# Altium PCB AX7103-2021-0629.PcbDoc (part 4 of 7) (continued)
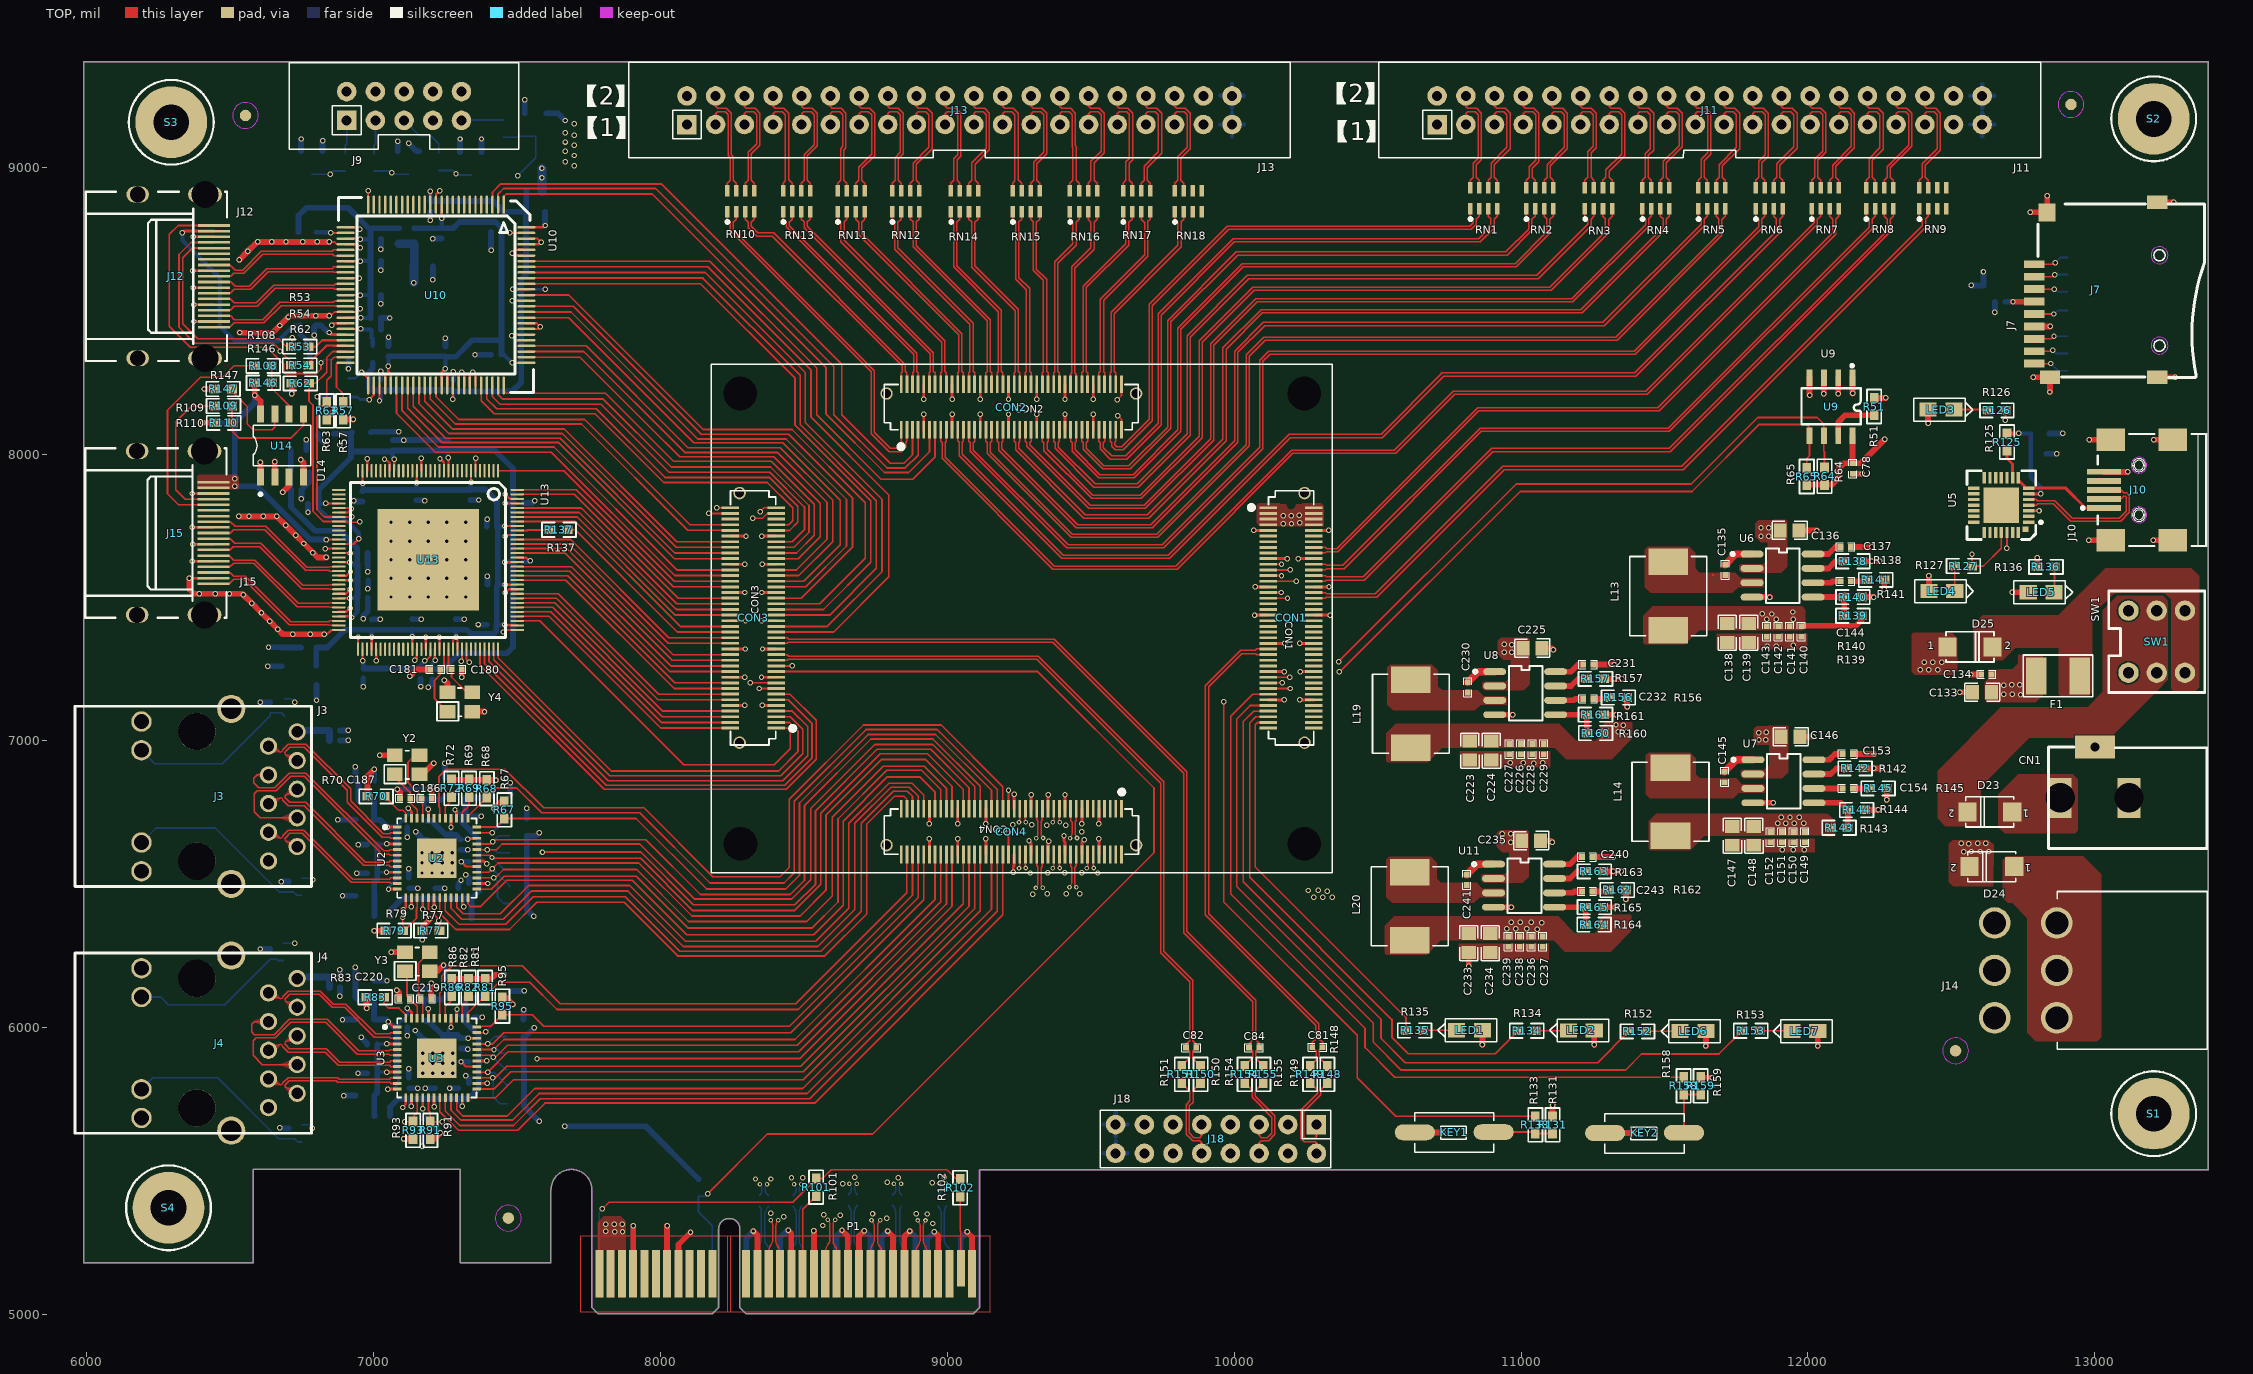
[diagram p0: TOP view]
## Nets (pads, with @x,y where several pads share a name; then routed paths per layer and width w, separated by ;. In a path a pad name is that pad's centre, name@x,y a point inside that pad or via, vN(x,y) a via of type N, cw(c..) or ccw(c..) an arc to the next point about the centre after c; other vN are vias at no path point) (continued)
  SGND1 w15: 6129.22,7439.54 J15.22@6176.11,7439.54 ; 6129.22,8010.41 J15.23@6176.11,8010.41 ; 6131.19,8334.28 J12.22@6178.08,8334.28 ; 6131.19,8905.15 J12.23@6178.08,8905.15 ; 6152.8,5372.79 S4.1@6285.32,5372.79 ; 6162.52,9156.85 S3.1@6295.04,9156.85 ; 6176.11,7404.46 J15.22@6176.11,7439.54 ; 6176.11,7474.62 J15.22@6176.11,7439.54 ; 6176.11,7975.33 J15.23@6176.11,8010.41 ; 6176.11,8045.49 J15.23@6176.11,8010.41 ; 6178.08,8299.2 J12.22@6178.08,8334.28 ; 6178.08,8369.36 J12.22@6178.08,8334.28 ; 6178.08,8870.07 J12.23@6178.08,8905.15 ; 6178.08,8940.23 J12.23@6178.08,8905.15 ; 6223,7439.54 J15.22@6176.11,7439.54 ; 6223,8010.41 J15.23@6176.11,8010.41 ; 6224.97,8334.28 J12.22@6178.08,8334.28 ; 6224.97,8905.15 J12.23@6178.08,8905.15 ; 6285.32,5240.27 S4.1@6285.32,5372.79 ; 6285.32,5505.31 S4.1@6285.32,5372.79 ; 6295.04,9024.33 S3.1@6295.04,9156.85 ; 6295.04,9289.37 S3.1@6295.04,9156.85 ; 6344.18,7439.54 J15.20@6410.76,7439.54 ; 6344.18,8010.41 J15.21@6410.76,8010.41 ; 6346.15,8334.28 J12.20@6412.73,8334.28 ; 6346.15,8905.15 J12.21@6412.73,8905.15 ; 6410.76,7404.46 J15.20@6410.76,7439.54 ; 6410.76,7474.62 J15.20@6410.76,7439.54 ; 6410.76,7975.33 J15.21@6410.76,8010.41 ; 6410.76,8045.49 J15.21@6410.76,8010.41 ; 6412.73,8299.2 J12.20@6412.73,8334.28 ; 6412.73,8369.36 J12.20@6412.73,8334.28 ; 6412.73,8870.07 J12.21@6412.73,8905.15 ; 6412.73,8940.23 J12.21@6412.73,8905.15 ; 6417.84,5372.79 S4.1@6285.32,5372.79 ; 6427.56,9156.85 S3.1@6295.04,9156.85 ; 6447.59,5641.78 J4.16@6504.11,5641.78 ; 6447.59,6252.01 J4.15@6504.11,6252.01 ; 6447.59,6501.78 J3.16@6504.11,6501.78 ; 6447.59,7112.01 J3.15@6504.11,7112.01 ; 6477.34,7439.54 J15.20@6410.76,7439.54 ; 6477.34,8010.41 J15.21@6410.76,8010.41 ; 6479.31,8334.28 J12.20@6412.73,8334.28 ; 6479.31,8905.15 J12.21@6412.73,8905.15 ; 6504.11,5585.26 J4.16@6504.11,5641.78 ; 6504.11,5698.3 J4.16@6504.11,5641.78 ; 6504.11,6195.49 J4.15@6504.11,6252.01 ; 6504.11,6308.53 J4.15@6504.11,6252.01 ; 6504.11,6445.26 J3.16@6504.11,6501.78 ; 6504.11,6558.3 J3.16@6504.11,6501.78 ; 6504.11,7055.49 J3.15@6504.11,7112.01 ; 6504.11,7168.53 J3.15@6504.11,7112.01 ; 6560.63,5641.78 J4.16@6504.11,5641.78 ; 6560.63,6252.01 J4.15@6504.11,6252.01 ; 6560.63,6501.78 J3.16@6504.11,6501.78 ; 6560.63,7112.01 J3.15@6504.11,7112.01 ; 6596.51,5721.9 J4.P10@6634.03,5721.9 ; 6596.51,6581.9 J3.P10@6634.03,6581.9 ; 6634.03,5684.38 J4.P10@6634.03,5721.9 ; 6634.03,5759.42 J4.P10@6634.03,5721.9 ; 6634.03,6544.38 J3.P10@6634.03,6581.9 ; 6634.03,6619.42 J3.P10@6634.03,6581.9 ; 6671.55,5721.9 J4.P10@6634.03,5721.9 ; 6671.55,6581.9 J3.P10@6634.03,6581.9 ; 6865.1,9263.48 J9.2@6906.68,9263.48 ; 6906.68,9221.9 J9.2@6906.68,9263.48 ; 6906.68,9305.06 J9.2@6906.68,9263.48 ; 6948.26,9263.48 J9.2@6906.68,9263.48 ; 7265.1,9263.48 J9.10@7306.68,9263.48 ; 7306.68,9221.9 J9.10@7306.68,9263.48 ; 7306.68,9305.06 J9.10@7306.68,9263.48 ; 7348.26,9263.48 J9.10@7306.68,9263.48 ; 8051.18,9148.82 J13.1@8092.7,9148.82 ; 8092.7,9107.3 J13.1@8092.7,9148.82 ; 8092.7,9190.34 J13.1@8092.7,9148.82 ; 8134.22,9148.82 J13.1@8092.7,9148.82 ; 9745.52,5562.85 J18.12@9787.04,5562.85 ; 9745.52,5662.85 J18.11@9787.04,5662.85 ; 9787.04,5604.37 J18.12@9787.04,5562.85 ; 9787.04,5621.33 J18.11@9787.04,5662.85 ; 9787.04,5704.37 J18.11@9787.04,5662.85 ; 9828.56,5562.85 J18.12@9787.04,5562.85 ; 9828.56,5662.85 J18.11@9787.04,5662.85 ; 9851.18,9148.82 J13.37@9892.7,9148.82 ; 9851.18,9248.82 J13.38@9892.7,9248.82 ; 9892.7,9107.3 J13.37@9892.7,9148.82 ; 9892.7,9190.34 J13.37@9892.7,9148.82 ; 9892.7,9207.3 J13.38@9892.7,9248.82 ; 9892.7,9290.34 J13.38@9892.7,9248.82 ; 9934.22,9148.82 J13.37@9892.7,9148.82 ; 9934.22,9248.82 J13.38@9892.7,9248.82 ; 9945.52,5562.85 J18.8@9987.04,5562.85 ; 9945.52,5662.85 J18.7@9987.04,5662.85 ; 9987.04,5604.37 J18.8@9987.04,5562.85 ; 9987.04,5621.33 J18.7@9987.04,5662.85 ; 9987.04,5704.37 J18.7@9987.04,5662.85 ; 10028.56,5562.85 J18.8@9987.04,5562.85 ; 10028.56,5662.85 J18.7@9987.04,5662.85 ; 10145.52,5562.85 J18.4@10187.04,5562.85 ; 10145.52,5662.85 J18.3@10187.04,5662.85 ; 10187.04,5604.37 J18.4@10187.04,5562.85 ; 10187.04,5621.33 J18.3@10187.04,5662.85 ; 10187.04,5704.37 J18.3@10187.04,5662.85 ; 10228.56,5562.85 J18.4@10187.04,5562.85 ; 10228.56,5662.85 J18.3@10187.04,5662.85 ; 10666.18,9148.82 J11.1@10707.7,9148.82 ; 10707.7,9107.3 J11.1@10707.7,9148.82 ; 10707.7,9190.34 J11.1@10707.7,9148.82 ; 10749.22,9148.82 J11.1@10707.7,9148.82 ; 12466.18,9148.82 J11.37@12507.7,9148.82 ; 12466.18,9248.82 J11.38@12507.7,9248.82 ; 12507.7,9107.3 J11.37@12507.7,9148.82 ; 12507.7,9190.34 J11.37@12507.7,9148.82 ; 12507.7,9207.3 J11.38@12507.7,9248.82 ; 12507.7,9290.34 J11.38@12507.7,9248.82 ; 12549.22,9148.82 J11.37@12507.7,9148.82 ; 12549.22,9248.82 J11.38@12507.7,9248.82 ; 12588.51,6034.97 J14.6@12651.03,6034.97 ; 12588.51,6200.32 J14.5@12651.03,6200.32 ; 12588.51,6365.67 J14.4@12651.03,6365.67 ; 12651.03,5972.45 J14.6@12651.03,6034.97 ; 12651.03,6097.49 J14.6@12651.03,6034.97 ; 12651.03,6137.8 J14.5@12651.03,6200.32 ; 12651.03,6262.84 J14.5@12651.03,6200.32 ; 12651.03,6303.15 J14.4@12651.03,6365.67 ; 12651.03,6428.19 J14.4@12651.03,6365.67 ; 12713.55,6034.97 J14.6@12651.03,6034.97 ; 12713.55,6200.32 J14.5@12651.03,6200.32 ; 12713.55,6365.67 J14.4@12651.03,6365.67 ; 12923.73,6978.76 CN1.2@13001.25,6978.76 ; 13001.25,6931.24 CN1.2@13001.25,6978.76 ; 13001.25,7026.28 CN1.2@13001.25,6978.76 ; 13071.73,6801.59 CN1.1@13119.25,6801.59 ; 13073.03,5700.85 S1.1@13205.55,5700.85 ; 13073.03,9168.7 S2.1@13205.55,9168.7 ; 13078.77,6978.76 CN1.2@13001.25,6978.76 ; 13119.25,6724.07 CN1.1@13119.25,6801.59 ; 13119.25,6879.11 CN1.1@13119.25,6801.59 ; 13166.77,6801.59 CN1.1@13119.25,6801.59 ; 13205.55,5568.33 S1.1@13205.55,5700.85 ; 13205.55,5833.37 S1.1@13205.55,5700.85 ; 13205.55,9036.18 S2.1@13205.55,9168.7 ; 13205.55,9301.22 S2.1@13205.55,9168.7 ; 13338.07,5700.85 S1.1@13205.55,5700.85 ; 13338.07,9168.7 S2.1@13205.55,9168.7
  BOTTOM w8: C77.2@7550.8,8574.46 v1(7598.8,8574.46)
  BOTTOM w15: C206.2@7260.04,5938.85 7260.04,5927.85 v1(7276.04,5911.85) ; C193.2@7268.04,6636.85 7268.04,6615.85 v1(7274.04,6609.85) ; C178.2@7520.04,7624.35 7542.69,7624.35 v1(7546.3,7627.96)
  BOTTOM w20: v1(6605.04,6274.85) C200.2@6640.04,6274.85 ; v1(6606.04,7134.85) C189.2@6640.04,7134.85 ; v1(6632.04,7260.85) C182.2@6679.04,7260.85 ; v1(6673.04,5651.85) 6675.04,5649.85 C196.2@6705.04,5649.85 ; v1(6678.04,6509.85) C188.2@6705.04,6509.85 ; D1.1@6747.64,9055.81 v1(6747.64,9098.45) ; v1(6748.8,7844.46) C157.2@6748.8,7875.96 6775.8,7902.96 6775.8,7935.59 C183.2@6775.04,7936.35 ; v1(6771.8,7796.85) 6771.8,7825.61 C179.2@6772.04,7825.85 ; C185.2@6800.04,7196.35 6801.43,7194.96 v1(6801.43,7141.85) ; v1(6803.8,8199.85) 6804.05,8199.6 R55.2@6852.8,8199.6 ; v1(6875.04,6725.85) C198.2@6937.04,6725.85 ; v1(6883.04,6110.85) C199.2@6883.04,6141.85 ; C201.2@6883.04,6176.85 v1(6883.04,6202.85) ; C190.2@6883.04,7001.85 v1(6912.04,7001.85) ; C191.2@6883.04,7036.85 v1(6912.04,7036.85) ; v1(6892.04,6028.85) C203.2@6937.04,6028.85 ; v1(6892.04,6460.85) C211.2@6937.04,6460.85 ; v1(6896.04,5763.85) C215.2@6937.04,5763.85 ; v1(6912.8,8297.96) R59.2@6912.8,8329.32 ; v1(6930.8,7837.96) 6933.91,7834.85 C170.2@6962.04,7834.85 ; v1(6942.04,6538.85) C245.2@6977.04,6538.85 ; v1(6946.04,5841.85) C260.2@6977.04,5841.85 ; v1(6947.04,6638.85) C251.2@6977.04,6638.85 ; v1(6957.04,5966.85) 6978.04,5945.85 6978.04,5942.85 C259.2@6977.04,5941.85 ; C175.2@6964.54,7217.85 6964.54,7188.72 v1(6964.8,7188.46) ; v1(6965.04,7426.85) 6965.04,7436.65 6970.8,7442.41 6970.8,7442.46 6979.8,7451.46 C159.2@6979.8,7498.96 ; C161.2@6979.3,7654.96 6979.3,7616.96 C158.2@6980.3,7615.96 v1(6980.3,7589.46) ; v1(6980.3,7530.46) 6981.54,7531.7 C162.2@6981.54,7559.35 ; C184.2@6991.54,8075.85 6993.65,8077.96 v1(7087.8,8077.96) ; C163.2@6994.04,7423.85 6994.15,7423.96 v1(7024.3,7423.96) ; C202.2@7003.04,6164.85 v1(7047.04,6164.85) ; C197.2@7003.04,6861.85 v1(7003.04,6901.85) ; C64.2@7025.04,8259.85 7025.04,8287.85 v1(7026.04,8288.85) ; C71.1@7025.8,8434.46 C73.2@7025.8,8474.46 v1(7056.8,8474.46) ; v1(7025.8,8523.46) C74.2@7025.8,8554.46 ; v1(7025.8,8640.96) C75.2@7025.8,8674.46 ; v1(7025.8,8713.46) C72.2@7025.8,8749.46 ; C65.2@7052.3,8376.96 v1(7052.3,8407.96) ; C174.2@7067.54,8049.35 7067.93,8048.96 v1(7105.3,8048.96) 7259.43,8048.96 C176.2@7259.54,8048.85 ; v1(7083.04,6831.85) C253.2@7180.04,6831.85 ; D2.1@7084.64,9055.81 v1(7084.64,9090.45) ; v1(7118.04,5972.85) C214.2@7118.04,6001.85 ; v1(7118.04,6664.85) C208.2@7118.04,6698.85 ; C209.2@7123.04,5826.85 v1(7123.04,5857.85) ; C207.2@7123.04,6523.85 v1(7123.04,6554.85) ; C244.2@7125.04,5789.85 v1(7154.04,5789.85) ; C246.2@7125.04,6486.85 v1(7155.04,6486.85) ; C171.2@7135.54,7424.85 7136.43,7423.96 v1(7165.8,7423.96) ; v1(7145.04,5990.85) 7178.04,5957.85 C204.2@7182.04,5957.85 ; C262.2@7145.04,6134.85 7184.04,6134.85 7199.7,6150.51 7199.7,6153.51 v1(7202.04,6155.85) ; v1(7147.04,6683.85) 7176.04,6654.85 C192.2@7188.04,6654.85 ; C165.2@7149.04,7838.85 7177.41,7838.85 v1(7178.3,7837.96) ; v1(7164.04,7189.85) C173.2@7164.04,7216.35 ; v1(7170.04,5586.85) C205.2@7170.04,5648.85 ; v1(7170.04,6307.85) C195.2@7170.04,6345.85 ; v1(7181.04,5789.85) C263.2@7215.04,5789.85 ; v1(7191.04,7186.85) 7205.04,7200.85 C177.2@7205.04,7215.35 ; v1(7197.8,8814.96) C63.2@7197.8,8846.46 ; v1(7205.8,8751.46) C66.2@7237.8,8751.46 ; v1(7207.04,8607.85) C76.2@7207.04,8653.85 ; C242.2@7215.04,6486.85 v1(7248.04,6486.85) ; v1(7244.04,6218.85) 7250.04,6212.85 C216.2@7250.04,6173.85 ; C213.2@7249.04,6870.85 v1(7249.04,6922.85) ; C67.2@7250.8,8374.96 v1(7250.8,8403.96) ; v1(7265.04,5789.85) C264.2@7295.04,5789.85 ; C62.2@7277.8,8256.46 v1(7277.8,8286.96) ; C166.2@7286.54,7424.85 7287.43,7423.96 v1(7315.8,7423.96) ; C247.2@7295.04,6486.85 7295.04,6501.85 7305.04,6511.85 v1(7305.04,6513.85) ; D3.1@7301.64,9052.81 v1(7301.64,9098.45) ; C194.2@7303.04,6620.85 v1(7329.04,6620.85) ; C217.2@7304.04,5927.85 7327.04,5927.85 v1(7329.04,5925.85) ; v1(7305.04,5881.85) C265.2@7332.04,5881.85 ; v1(7306.04,6578.85) C249.2@7332.04,6578.85 ; v1(7322.04,5833.85) 7332.04,5823.85 C266.2@7332.04,5806.85 ; v1(7322.04,6533.85) 7332.04,6523.85 C250.2@7332.04,6503.85 ; C169.2@7337.04,7840.35 7366.41,7840.35 v1(7366.8,7839.96) ; C248.2@7346.04,6737.85 v1(7376.04,6737.85) ; C267.2@7350.04,6036.85 v1(7379.04,6036.85) ; v1(7353.8,8345.96) C70.2@7410.3,8345.96 ; v1(7365.8,7405.96) 7366.91,7404.85 C164.2@7393.54,7404.85 ; C167.2@7394.54,7746.35 7394.54,7771.2 v1(7396.8,7773.46) ; v1(7396.8,7573.96) 7397.04,7573.72 C168.2@7397.04,7544.35 ; v1(7409.8,8710.96) C69.2@7409.8,8774.46 ; v1(7476.04,6854.85) 7476.04,6817.85 7478.04,6815.85 C210.2@7478.04,6811.85 ; C218.2@7479.04,6128.85 v1(7525.04,6128.85) ; C172.2@7522.54,7828.35 7523.65,7829.46 7553.8,7829.46 v1(7561.8,7837.46) ; R92.1@7523.04,6027.99 v1(7523.04,6063.85) ; D4.1@7527.64,9187.81 v1(7527.64,9234.45) ; R78.1@7534.04,6728.99 v1(7534.04,6764.85) ; v1(7598.04,8796.85) C61.2@7598.04,8844.85 ; P1.A4@7905.39,5142.35 v1(7905.39,5309.85) ; P1.A12@8299.09,5142.35 8299.09,5266.9 v1(8324.04,5291.85) ; P1.A15@8417.2,5142.35 8417.2,5269.01 8442.04,5293.85 v1(8446.04,5293.85) ; P1.A18@8535.31,5142.35 v1(8535.31,5292.85) ; P1.A20@8614.05,5142.35 8614.05,5274.86 v1(8633.04,5293.85) ; v1(8711.04,5292.85) 8732.16,5271.73 P1.A23@8732.16,5142.35 ; P1.A24@8771.53,5142.35 8771.53,5271.34 v1(8792.04,5291.85) ; v1(8870.04,5291.85) 8889.64,5272.25 P1.A27@8889.64,5142.35 ; P1.A28@8929.01,5142.35 8929.01,5262.82 v1(8955.04,5288.85) ; P1.A31@9047.12,5142.35 9047.12,5266.93 v1(9069.04,5288.85) ; v1(12569.04,8587.85) C79.2@12612.04,8587.85 v1(12612.04,8635.85) ; v1(12652.04,8493.85) C80.2@12652.04,8530.85 ; C129.2@12830.75,8001.18 v1(12866.71,8001.18) ; C130.2@12842.25,8072.18 v1(12888.71,8072.18)
  other v1: 8566.53,5311.15 8949.53,5318.15 8788.53,5336.15 8430.53,5342.15 8627.53,5346.15 8569.53,5349.15 8929.53,5351.15 8739.53,5352.15 8892.53,5352.15 8384.53,5353.15 8635.53,5457.15 8947.53,5460.15 8791.53,5462.15 8331.53,5473.15 8385.53,5473.15 8457.04,5477.85 8497.04,5477.85 8829.53,5478.15 8677.53,5479.15 8989.53,5479.15 7171.04,5841.85 7206.04,5841.85 7241.04,5841.85 7276.04,5841.85 7171.04,5876.85 7206.04,5876.85 7241.04,5876.85 7276.04,5876.85 7171.04,5911.85 7206.04,5911.85 7241.04,5911.85 7356.04,6264.85 9297.53,6466.15 9348.04,6466.85 9415.04,6467.85 9462.04,6467.85 7169.04,6539.85 7204.04,6539.85 7239.04,6539.85 7274.04,6539.85 9290.04,6539.85 9525.04,6539.85 9350.04,6540.85 9410.04,6540.85 9469.04,6540.85 7169.04,6574.85 7204.04,6574.85 7239.04,6574.85 7274.04,6574.85 7169.04,6609.85 7204.04,6609.85 7239.04,6609.85 11948.6,6620.62 11910.6,6621.62 11987.6,6621.62 9468.53,6683.15 9347.04,6706.85 9413.04,6706.85 9229.04,6707.85 9295.04,6707.85 11045.04,6922.85 10963.04,6923.85 11008.04,6923.85 11075.04,6923.85 11858.6,7330.62 11889.6,7330.62 11948.6,7333.62 7061.04,7501.85 7126.04,7501.85 7191.04,7501.85 7256.04,7501.85 7321.04,7501.85 7061.04,7566.85 7126.04,7566.85 7191.04,7566.85 7256.04,7566.85 7321.04,7566.85 7061.04,7631.85 7126.04,7631.85 7191.04,7631.85 7256.04,7631.85 7321.04,7631.85 7061.04,7696.85 7126.04,7696.85 7191.04,7696.85 7256.04,7696.85 7321.04,7696.85 7061.04,7761.85 7126.04,7761.85 7191.04,7761.85 7256.04,7761.85 7321.04,7761.85
HDMI-VCC: J15.18 J15.19 R110.1 R146.1 U13.44 U14.8 | length 1029.4
  TOP w8: v1(6836.03,7702.19) U13.44@6879.36,7702.19
  TOP w20: v1(6405.18,8108.99) R110.1@6448.04,8108.99 ; R146.1@6586.04,8248.99 v1(6586.04,8204.85) 6606.04,8184.85 U14.8@6606.04,8139.85
  BOTTOM w20: v1(6405.18,8108.99) 6516.04,8108.99 ; v1(6516.04,7914.85) 6516.04,8108.99 ; v1(6517.04,7887.85) 6594.04,7887.85 6779.7,7702.19 v1(6836.03,7702.19) ; v1(6586.04,8204.85) 6586.04,8178.99 6516.04,8108.99
HDMI-VCC1: F2.2 J12.18 R60.2 R61.2 | length 975.3
  TOP w10: v1(6334.04,8771.85) 6339.38,8777.19 J12.18@6444.23,8777.19
  BOTTOM w15: v1(6334.04,8771.85) 6334.04,8744.85 6464.04,8614.85 6464.04,8446.85 6517.04,8393.85 6667.04,8393.85 6721.65,8448.46 F2.2@6744.3,8448.46
  BOTTOM w20: F2.2@6744.3,8448.46 6744.3,8418.59 6778.8,8384.09 R60.2@6778.8,8365.46 6777.8,8364.46 R61.2@6777.8,8303.96
HDMI_SCL: CON4.41 R62.1 U10.48 U13.40 | length 3973.9
  TOP w6: U10.48@6902.84,8357.61 6857.8,8357.61 6837.04,8336.85 6837.04,8285.85 6797.9,8246.71 R62.1@6775.04,8246.71 6775.04,8184.85 6789.04,8170.85 6789.04,7800.85 6824.71,7765.18 U13.40@6879.36,7765.18 6910.04,7765.18 6912.37,7762.85 6950.72,7762.85 v1(6951.8,7763.93) ; CON4.41@9213.57,6763.77 v1(9213.57,6827.85)
  IN1 w5: v1(6951.8,7763.93) 6949.12,7763.93 6884.04,7698.85 6884.04,7202.85 7138.04,6948.85 9092.57,6948.85 v1(9213.57,6827.85)
HDMI_SDA: CON4.42 R63.1 U10.49 U13.39 | length 3995.6
  TOP w6: U10.49@6902.84,8337.92 6863.11,8337.92 6853.04,8327.85 6853.04,8272.71 6837.18,8256.85 R63.1@6837.18,8180.85 6833.04,8180.85 6803.04,8150.85 6803.04,7806.85 6828.96,7780.93 U13.39@6879.36,7780.93 v1(6923.77,7780.93) ; CON4.42@9213.57,6604.33 v1(9213.57,6678.85)
  IN1 w5: v1(6923.77,7780.93) 6860.04,7717.2 6860.04,7174.85 7130.78,6904.11 8988.31,6904.11 v1(9213.57,6678.85)
HP_DET: J12.19 R56.2 R59.1 | length 1236.2
  TOP w6: J12.19@6444.23,8796.88 6319.07,8796.88 6288.04,8765.85 6288.04,8445.85 6361.04,8372.85 6628.04,8372.85 6686.04,8314.85 6686.04,8286.85 6692.04,8280.85 6801.04,8280.85 6817.04,8296.85 v1(6817.04,8318.85)
  BOTTOM w6: v1(6817.04,8318.85) 6827.51,8329.32 R59.1@6852.8,8329.32 R56.2@6852.8,8264.6
IO1_1N: CON2.75 RN1.2 | length 1954.1
  TOP w5: CON2.75@9567.89,8084.27 9567.89,8044.35 9573.04,8039.2 9573.04,8027.39 9585.6,8014.85 9613.6,8014.85 9715.04,8116.29 9715.04,8517.85 9981.04,8783.85 10826.04,8783.85 10844.04,8801.85 10844.04,8819.07 10854.3,8829.33 RN1.2@10854.3,8855.27
IO1_1P: CON2.77 RN1.1 | length 1916.9
  TOP w5: CON2.77@9587.57,8084.27 9587.57,8044.35 9584.04,8040.82 9584.04,8031.96 9590.16,8025.85 9609.04,8025.85 9704.04,8120.85 9704.04,8522.41 9976.48,8794.85 10821.48,8794.85 10833.04,8806.41 10833.04,8819.09 10822.8,8829.33 RN1.1@10822.8,8855.27
IO1_2N: CON2.73 RN1.3 | length 2047.4
  TOP w5: CON2.73@9548.2,8084.27 9548.2,8044.35 9544.04,8040.19 9544.04,8022.85 9573.04,7993.85 9621.48,7993.85 9735.04,8107.41 9735.04,8489.41 9996.48,8750.85 10853.48,8750.85 10895.04,8792.41 10895.04,8820.08 10885.79,8829.33 RN1.3@10885.79,8855.27
IO1_2P: CON2.71 RN1.4 | length 2084.8
  TOP w5: CON2.71@9528.52,8084.27 9528.52,8044.35 9533.04,8039.83 9533.04,8018.29 9568.48,7982.85 9626.04,7982.85 9746.04,8102.85 9746.04,8484.85 10001.04,8739.85 10858.04,8739.85 10906.04,8787.85 10906.04,8818.08 10917.29,8829.33 RN1.4@10917.29,8855.27
IO1_3N: CON2.65 RN2.2 | length 2303.4
  TOP w5: CON2.65@9469.46,8084.27 9469.46,8044.35 9474.04,8039.77 9474.04,8016.29 9541.48,7948.85 9638.04,7948.85 9779.04,8089.85 9779.04,8460.85 10012.04,8693.85 10952.04,8693.85 11038.04,8779.85 11038.04,8818.08 11049.3,8829.34 RN2.2@11049.3,8855.28
IO1_3P: CON2.67 RN2.1 | length 2266
  TOP w5: CON2.67@9489.15,8084.27 9489.15,8044.36 9485.04,8040.25 9485.04,8020.85 9546.04,7959.85 9633.48,7959.85 9768.04,8094.41 9768.04,8465.41 10007.48,8704.85 10947.48,8704.85 11027.04,8784.41 11027.04,8820.1 11017.8,8829.34 RN2.1@11017.8,8855.28
IO1_4N: CON2.63 RN2.3 | length 2393.5
  TOP w5: CON2.63@9449.78,8084.27 9449.78,8044.35 9446.04,8040.61 9446.04,8014.85 9532.04,7928.85 9647.48,7928.85 9803.04,8084.41 9803.04,8439.41 10027.48,8663.85 10979.48,8663.85 11090.04,8774.41 11090.04,8820.09 11080.79,8829.34 RN2.3@11080.79,8855.28
IO1_4P: CON2.61 RN2.4 | length 2431.3
  TOP w5: CON2.61@9430.09,8084.27 9430.09,8044.36 9435.04,8039.41 9435.04,8010.29 9527.48,7917.85 9652.04,7917.85 9814.04,8079.85 9814.04,8434.85 10032.04,8652.85 10984.04,8652.85 11101.04,8769.85 11101.04,8818.09 11112.29,8829.34 RN2.4@11112.29,8855.28
IO1_5N: CON2.55 RN3.2 | length 2631.8
  TOP w5: CON2.55@9371.04,8084.27 9371.04,8044.35 9376.04,8039.35 9376.04,8019.85 9511.04,7884.85 9666.04,7884.85 9847.04,8065.85 9847.04,8407.85 10051.04,8611.85 11060.04,8611.85 11244.04,8795.85 11244.04,8819.07 11254.3,8829.33 RN3.2@11254.3,8855.27
IO1_5P: CON2.57 RN3.1 | length 2594.8
  TOP w5: CON2.57@9390.72,8084.27 9390.72,8044.35 9387.04,8040.67 9387.04,8024.41 9515.6,7895.85 9661.48,7895.85 9836.04,8070.41 9836.04,8412.41 10046.48,8622.85 11055.48,8622.85 11233.04,8800.41 11233.04,8819.09 11222.8,8829.33 RN3.1@11222.8,8855.27
IO1_6N: CON2.51 RN3.4 | length 2778.5
  TOP w5: CON2.51@9331.67,8084.27 9331.67,8044.35 9337.04,8038.98 9337.04,8011.85 9503.04,7845.85 9677.04,7845.85 9889.04,8057.85 9889.04,8389.85 10070.04,8570.85 11105.04,8570.85 11305.04,8770.85 11305.04,8817.08 11317.29,8829.33 RN3.4@11317.29,8855.27
IO1_6P: CON2.53 RN3.3 | length 2739.6
  TOP w5: CON2.53@9351.35,8084.27 9351.35,8044.35 9348.04,8041.04 9348.04,8016.41 9507.6,7856.85 9672.48,7856.85 9878.04,8062.41 9878.04,8394.41 10065.48,8581.85 11100.48,8581.85 11294.04,8775.41 11294.04,8821.08 11285.79,8829.33 RN3.3@11285.79,8855.27
IO1_7N: CON2.45 RN4.2 | length 2982.2
  TOP w5: CON2.45@9272.61,8084.27 9272.61,8044.35 9277.04,8039.92 9277.04,8027.29 9493.48,7810.85 9691.04,7810.85 9929.04,8048.85 9929.04,8379.85 10080.04,8530.85 11181.04,8530.85 11445.04,8794.85 11445.04,8820.08 11454.3,8829.34 RN4.2@11454.3,8855.28
IO1_7P: CON2.47 RN4.1 | length 2946.5
  TOP w5: CON2.47@9292.3,8084.27 9292.3,8044.36 9288.04,8040.1 9288.04,8031.85 9498.04,7821.85 9686.48,7821.85 9918.04,8053.41 9918.04,8384.41 10075.48,8541.85 11176.48,8541.85 11434.04,8799.41 11434.04,8818.1 11422.8,8829.34 RN4.1@11422.8,8855.28
IO1_8N: CON2.41 RN4.4 | length 3116.9
  TOP w5: CON2.41@9233.24,8084.27 9233.24,8044.35 9238.04,8039.55 9238.04,8015.29 9476.48,7776.85 9702.04,7776.85 9972.04,8046.85 9972.04,8366.29 10098.6,8492.85 11213.04,8492.85 11506.04,8785.85 11506.04,8818.09 11517.29,8829.34 RN4.4@11517.29,8855.28
IO1_8P: CON2.43 RN4.3 | length 3079.2
  TOP w5: CON2.43@9252.93,8084.27 9252.93,8044.36 9249.04,8040.47 9249.04,8019.85 9481.04,7787.85 9697.48,7787.85 9961.04,8051.41 9961.04,8370.85 10094.04,8503.85 11208.48,8503.85 11495.04,8790.41 11495.04,8820.09 11485.79,8829.34 RN4.3@11485.79,8855.28
IO1_9N: CON2.35 RN5.2 | length 3328.6
  TOP w5: CON2.35@9174.19,8084.27 9174.19,8044.35 9179.04,8039.5 9179.04,8013.29 9449.48,7742.85 9715.8,7742.85 9717.8,7744.85 9717.8,7746.61 10013.04,8041.85 10013.04,8354.85 10106.04,8447.85 11290.04,8447.85 11639.04,8796.85 11639.04,8819.07 11649.3,8829.33 RN5.2@11649.3,8855.27
IO1_9P: CON2.37 RN5.1 | length 3290.7
  TOP w5: CON2.37@9193.87,8084.27 9193.87,8044.35 9190.04,8040.52 9190.04,8017.85 9454.04,7753.85 9709.48,7753.85 10002.04,8046.41 10002.04,8359.41 10101.48,8458.85 11285.48,8458.85 11628.04,8801.41 11628.04,8819.09 11617.8,8829.33 RN5.1@11617.8,8855.27
IO1_10N: CON2.31 RN5.4 | length 3483.2
  TOP w5: CON2.31@9134.82,8084.27 9134.82,8044.35 9139.04,8040.13 9139.04,8002.29 9431.48,7709.85 9734.04,7709.85 10053.04,8028.85 10053.04,8341.85 10108.04,8396.85 11334.6,8396.85 11700.04,8762.29 11700.04,8817.08 11712.29,8829.33 RN5.4@11712.29,8855.27
IO1_10P: CON2.33 RN5.3 | length 3445.2
  TOP w5: CON2.33@9154.5,8084.27 9154.5,8044.35 9150.04,8039.89 9150.04,8006.85 9436.04,7720.85 9729.48,7720.85 10042.04,8033.41 10042.04,8346.41 10103.48,8407.85 11330.04,8407.85 11689.04,8766.85 11689.04,8821.08 11680.79,8829.33 RN5.3@11680.79,8855.27
IO1_11N: CON2.27 RN6.1 | length 3650.3
  TOP w5: CON2.27@9095.45,8084.27 9095.45,8044.36 9091.04,8039.95 9091.04,8013.85 9421.04,7683.85 9749.48,7683.85 10089.04,8023.41 10089.04,8327.41 10120.48,8358.85 11394.48,8358.85 11828.04,8792.41 11828.04,8819.1 11817.8,8829.34 RN6.1@11817.8,8855.28
IO1_11P: CON2.25 RN6.2 | length 3686.7
  TOP w5: CON2.25@9075.76,8084.27 9075.76,8044.35 9080.04,8040.07 9080.04,8009.29 9416.48,7672.85 9754.04,7672.85 10100.04,8018.85 10100.04,8322.85 10125.04,8347.85 11399.04,8347.85 11839.04,8787.85 11839.04,8819.08 11849.3,8829.34 RN6.2@11849.3,8855.28
IO1_12N: CON2.23 RN6.3 | length 3619
  TOP w5: CON2.23@9056.08,8084.27 9056.08,8044.35 9053.04,8041.31 9053.04,7998.85 9404.04,7647.85 9770.48,7647.85 10191.48,8068.85 10512.04,8068.85 10726.04,8282.85 11396.04,8282.85 11890.04,8776.85 11890.04,8820.09 11880.79,8829.34 RN6.3@11880.79,8855.28
IO1_12P: CON2.21 RN6.4 | length 3657.3
  TOP w5: CON2.21@9036.39,8084.27 9036.39,8046.85 9042.04,8041.2 9042.04,7994.29 9399.48,7636.85 9775.04,7636.85 10196.04,8057.85 10516.6,8057.85 10730.6,8271.85 11400.6,8271.85 11901.04,8772.29 11901.04,8818.09 11912.29,8829.34 RN6.4@11912.29,8855.28
IO1_13N: CON2.17 RN7.1 | length 3831
  TOP w5: CON2.17@8997.02,8084.27 8997.02,8044.35 8993.04,8040.37 8993.04,7989.41 9372.6,7609.85 9796.48,7609.85 10200.48,8013.85 10558.48,8013.85 10764.48,8219.85 11435.48,8219.85 12022.04,8806.41 12022.04,8820.09 12012.8,8829.33 RN7.1@12012.8,8855.27
IO1_13P: CON2.15 RN7.2 | length 3868.6
  TOP w5: CON2.15@8977.34,8084.27 8977.34,8044.35 8982.04,8039.65 8982.04,7984.85 9368.04,7598.85 9801.04,7598.85 10205.04,8002.85 10563.04,8002.85 10769.04,8208.85 11440.04,8208.85 12033.04,8801.85 12033.04,8818.07 12044.3,8829.33 RN7.2@12044.3,8855.27

## Text inside footprints (layer, text, board x,y; h text height)
R134: PIN_NUMBER "2" at 11040.04,5989.99 h25; PIN_NUMBER "1" at 10980.04,5989.99 h25; DIMENSION "R0603" at 10938.04,5756.32 h32; DIMENSION "60.00" at 10664.04,5848.49 h25; DIMENSION "1.52" at 10818.04,5848.49 h25
R135: PIN_NUMBER "2" at 10649.04,5990.99 h25; PIN_NUMBER "1" at 10589.04,5990.99 h25; DIMENSION "R0603" at 10547.04,5757.32 h32; DIMENSION "60.00" at 10273.04,5849.49 h25; DIMENSION "1.52" at 10427.04,5849.49 h25
R136: PIN_NUMBER "1" at 12789.88,7607 h25; PIN_NUMBER "2" at 12849.88,7607 h25; DIMENSION "R0603" at 12747.88,7373.33 h32; DIMENSION "60.00" at 12473.88,7465.5 h25; DIMENSION "1.52" at 12627.88,7465.5 h25
R137: PIN_NUMBER "1" at 7666.54,7736.21 h25 r180; PIN_NUMBER "2" at 7606.54,7736.21 h25 r180; DIMENSION "R0603" at 7728.54,7969.88 h32 r180; DIMENSION "60.00" at 8002.54,7877.71 h25 r180; DIMENSION "1.52" at 7848.54,7877.71 h25 r180
R138: PIN_NUMBER "1" at 12176.6,7626.48 h25 r180; PIN_NUMBER "2" at 12116.6,7626.48 h25 r180; DIMENSION "R0603" at 12238.6,7860.15 h32 r180; DIMENSION "60.00" at 12512.6,7767.98 h25 r180; DIMENSION "1.52" at 12358.6,7767.98 h25 r180
R139: PIN_NUMBER "1" at 12176.6,7436.48 h25 r180; PIN_NUMBER "2" at 12116.6,7436.48 h25 r180; DIMENSION "R0603" at 12238.6,7670.15 h32 r180; DIMENSION "60.00" at 12512.6,7577.98 h25 r180; DIMENSION "1.52" at 12358.6,7577.98 h25 r180
R140: PIN_NUMBER "1" at 12116.6,7501.76 h25; PIN_NUMBER "2" at 12176.6,7501.76 h25; DIMENSION "R0603" at 12074.6,7268.09 h32; DIMENSION "60.00" at 11800.6,7360.26 h25; DIMENSION "1.52" at 11954.6,7360.26 h25
R141: PIN_NUMBER "1" at 12196.6,7561.76 h25; PIN_NUMBER "2" at 12256.6,7561.76 h25; DIMENSION "R0603" at 12154.6,7328.09 h32; DIMENSION "60.00" at 11880.6,7420.26 h25; DIMENSION "1.52" at 12034.6,7420.26 h25
R142: PIN_NUMBER "1" at 12184.6,6904.48 h25 r180; PIN_NUMBER "2" at 12124.6,6904.48 h25 r180; DIMENSION "R0603" at 12246.6,7138.15 h32 r180; DIMENSION "60.00" at 12520.6,7045.98 h25 r180; DIMENSION "1.52" at 12366.6,7045.98 h25 r180
R143: PIN_NUMBER "2" at 12128.6,6697.76 h25; PIN_NUMBER "1" at 12068.6,6697.76 h25; DIMENSION "R0603" at 12026.6,6464.09 h32; DIMENSION "60.00" at 11752.6,6556.26 h25; DIMENSION "1.52" at 11906.6,6556.26 h25
R144: PIN_NUMBER "1" at 12129.6,6759.76 h25; PIN_NUMBER "2" at 12189.6,6759.76 h25; DIMENSION "R0603" at 12087.6,6526.09 h32; DIMENSION "60.00" at 11813.6,6618.26 h25; DIMENSION "1.52" at 11967.6,6618.26 h25
R145: PIN_NUMBER "1" at 12204.6,6834.76 h25; PIN_NUMBER "2" at 12264.6,6834.76 h25; DIMENSION "R0603" at 12162.6,6601.09 h32; DIMENSION "60.00" at 11888.6,6693.26 h25; DIMENSION "1.52" at 12042.6,6693.26 h25
R146: PIN_NUMBER "2" at 6636.04,8248.99 h25; PIN_NUMBER "1" at 6576.04,8248.99 h25; DIMENSION "R0603" at 6534.04,8015.32 h32; DIMENSION "60.00" at 6260.04,8107.49 h25; DIMENSION "1.52" at 6414.04,8107.49 h25
R147: PIN_NUMBER "1" at 6436.04,8226.99 h25; PIN_NUMBER "2" at 6496.04,8226.99 h25; DIMENSION "R0603" at 6394.04,7993.32 h32; DIMENSION "60.00" at 6120.04,8085.49 h25; DIMENSION "1.52" at 6274.04,8085.49 h25
R148: PIN_NUMBER "2" at 10314.9,5867.85 h25 r90; PIN_NUMBER "1" at 10314.9,5807.85 h25 r90; DIMENSION "R0603" at 10558.57,5755.85 h32 r90; DIMENSION "60.00" at 10466.4,5481.85 h25 r90; DIMENSION "1.52" at 10466.4,5635.85 h25 r90
R149: PIN_NUMBER "2" at 10254.9,5867.85 h25 r90; PIN_NUMBER "1" at 10254.9,5807.85 h25 r90; DIMENSION "R0603" at 10498.57,5755.85 h32 r90; DIMENSION "60.00" at 10406.4,5481.85 h25 r90; DIMENSION "1.52" at 10406.4,5635.85 h25 r90
R150: PIN_NUMBER "2" at 9872.9,5867.85 h25 r90; PIN_NUMBER "1" at 9872.9,5807.85 h25 r90; DIMENSION "R0603" at 10116.57,5755.85 h32 r90; DIMENSION "60.00" at 10024.4,5481.85 h25 r90; DIMENSION "1.52" at 10024.4,5635.85 h25 r90
R151: PIN_NUMBER "2" at 9807.9,5867.85 h25 r90; PIN_NUMBER "1" at 9807.9,5807.85 h25 r90; DIMENSION "R0603" at 10051.57,5755.85 h32 r90; DIMENSION "60.00" at 9959.4,5481.85 h25 r90; DIMENSION "1.52" at 9959.4,5635.85 h25 r90
R152: PIN_NUMBER "1" at 11366.04,5987.99 h25; PIN_NUMBER "2" at 11426.04,5987.99 h25; DIMENSION "R0603" at 11324.04,5754.32 h32; DIMENSION "60.00" at 11050.04,5846.49 h25; DIMENSION "1.52" at 11204.04,5846.49 h25
R153: PIN_NUMBER "1" at 11761.04,5989.99 h25; PIN_NUMBER "2" at 11821.04,5989.99 h25; DIMENSION "R0603" at 11719.04,5756.32 h32; DIMENSION "60.00" at 11445.04,5848.49 h25; DIMENSION "1.52" at 11599.04,5848.49 h25
R154: PIN_NUMBER "2" at 10026.9,5867.85 h25 r90; PIN_NUMBER "1" at 10026.9,5807.85 h25 r90; DIMENSION "R0603" at 10270.57,5755.85 h32 r90; DIMENSION "60.00" at 10178.4,5481.85 h25 r90; DIMENSION "1.52" at 10178.4,5635.85 h25 r90
R155: PIN_NUMBER "2" at 10091.9,5867.85 h25 r90; PIN_NUMBER "1" at 10091.9,5807.85 h25 r90; DIMENSION "R0603" at 10335.57,5755.85 h32 r90; DIMENSION "60.00" at 10243.4,5481.85 h25 r90; DIMENSION "1.52" at 10243.4,5635.85 h25 r90
R156: PIN_NUMBER "2" at 11359.6,7151.76 h25; PIN_NUMBER "1" at 11299.6,7151.76 h25; DIMENSION "R0603" at 11257.6,6918.09 h32; DIMENSION "60.00" at 10983.6,7010.26 h25; DIMENSION "1.52" at 11137.6,7010.26 h25
R157: PIN_NUMBER "1" at 11279.6,7216.48 h25 r180; PIN_NUMBER "2" at 11219.6,7216.48 h25 r180; DIMENSION "R0603" at 11341.6,7450.15 h32 r180; DIMENSION "60.00" at 11615.6,7357.98 h25 r180; DIMENSION "1.52" at 11461.6,7357.98 h25 r180
R158: PIN_NUMBER "2" at 11556.9,5827.85 h25 r90; PIN_NUMBER "1" at 11556.9,5767.85 h25 r90; DIMENSION "R0603" at 11800.57,5715.85 h32 r90; DIMENSION "60.00" at 11708.4,5441.85 h25 r90; DIMENSION "1.52" at 11708.4,5595.85 h25 r90
R159: PIN_NUMBER "2" at 11615.9,5827.85 h25 r90; PIN_NUMBER "1" at 11615.9,5767.85 h25 r90; DIMENSION "R0603" at 11859.57,5715.85 h32 r90; DIMENSION "60.00" at 11767.4,5441.85 h25 r90; DIMENSION "1.52" at 11767.4,5595.85 h25 r90
R160: PIN_NUMBER "1" at 11280.04,7027.71 h25 r180; PIN_NUMBER "2" at 11220.04,7027.71 h25 r180; DIMENSION "R0603" at 11342.04,7261.38 h32 r180; DIMENSION "60.00" at 11616.04,7169.21 h25 r180; DIMENSION "1.52" at 11462.04,7169.21 h25 r180
R161: PIN_NUMBER "2" at 11279.6,7091.76 h25; PIN_NUMBER "1" at 11219.6,7091.76 h25; DIMENSION "R0603" at 11177.6,6858.09 h32; DIMENSION "60.00" at 10903.6,6950.26 h25; DIMENSION "1.52" at 11057.6,6950.26 h25
R162: PIN_NUMBER "2" at 11355.6,6480.76 h25; PIN_NUMBER "1" at 11295.6,6480.76 h25; DIMENSION "R0603" at 11253.6,6247.09 h32; DIMENSION "60.00" at 10979.6,6339.26 h25; DIMENSION "1.52" at 11133.6,6339.26 h25
R163: PIN_NUMBER "1" at 11275.6,6545.48 h25 r180; PIN_NUMBER "2" at 11215.6,6545.48 h25 r180; DIMENSION "R0603" at 11337.6,6779.15 h32 r180; DIMENSION "60.00" at 11611.6,6686.98 h25 r180; DIMENSION "1.52" at 11457.6,6686.98 h25 r180
R164: PIN_NUMBER "1" at 11275.04,6359.71 h25 r180; PIN_NUMBER "2" at 11215.04,6359.71 h25 r180; DIMENSION "R0603" at 11337.04,6593.38 h32 r180; DIMENSION "60.00" at 11611.04,6501.21 h25 r180; DIMENSION "1.52" at 11457.04,6501.21 h25 r180
R165: PIN_NUMBER "2" at 11275.6,6420.76 h25; PIN_NUMBER "1" at 11215.6,6420.76 h25; DIMENSION "R0603" at 11173.6,6187.09 h32; DIMENSION "60.00" at 10899.6,6279.26 h25; DIMENSION "1.52" at 11053.6,6279.26 h25
RN1: PIN_NUMBER "8" at 10812.8,8928.42 h25 r90; PIN_NUMBER "6" at 10875.79,8928.42 h25 r90; PIN_NUMBER "7" at 10844.3,8928.42 h25 r90; PIN_NUMBER "5" at 10907.29,8928.42 h25 r90; PIN_NUMBER "2" at 10844.3,8855.27 h25 r90; PIN_NUMBER "1" at 10812.8,8855.27 h25 r90; PIN_NUMBER "4" at 10907.29,8855.27 h25 r90; PIN_NUMBER "3" at 10875.79,8855.27 h25 r90
RN2: PIN_NUMBER "8" at 11007.8,8928.43 h25 r90; PIN_NUMBER "6" at 11070.79,8928.43 h25 r90; PIN_NUMBER "7" at 11039.3,8928.43 h25 r90; PIN_NUMBER "5" at 11102.29,8928.43 h25 r90; PIN_NUMBER "2" at 11039.3,8855.28 h25 r90; PIN_NUMBER "1" at 11007.8,8855.28 h25 r90; PIN_NUMBER "4" at 11102.29,8855.28 h25 r90; PIN_NUMBER "3" at 11070.79,8855.28 h25 r90
RN3: PIN_NUMBER "8" at 11212.8,8928.42 h25 r90; PIN_NUMBER "6" at 11275.79,8928.42 h25 r90; PIN_NUMBER "7" at 11244.3,8928.42 h25 r90; PIN_NUMBER "5" at 11307.29,8928.42 h25 r90; PIN_NUMBER "2" at 11244.3,8855.27 h25 r90; PIN_NUMBER "1" at 11212.8,8855.27 h25 r90; PIN_NUMBER "4" at 11307.29,8855.27 h25 r90; PIN_NUMBER "3" at 11275.79,8855.27 h25 r90
RN4: PIN_NUMBER "8" at 11412.8,8928.43 h25 r90; PIN_NUMBER "6" at 11475.79,8928.43 h25 r90; PIN_NUMBER "7" at 11444.3,8928.43 h25 r90; PIN_NUMBER "5" at 11507.29,8928.43 h25 r90; PIN_NUMBER "2" at 11444.3,8855.28 h25 r90; PIN_NUMBER "1" at 11412.8,8855.28 h25 r90; PIN_NUMBER "4" at 11507.29,8855.28 h25 r90; PIN_NUMBER "3" at 11475.79,8855.28 h25 r90
RN5: PIN_NUMBER "8" at 11607.8,8928.42 h25 r90; PIN_NUMBER "6" at 11670.79,8928.42 h25 r90; PIN_NUMBER "7" at 11639.3,8928.42 h25 r90; PIN_NUMBER "5" at 11702.29,8928.42 h25 r90; PIN_NUMBER "2" at 11639.3,8855.27 h25 r90; PIN_NUMBER "1" at 11607.8,8855.27 h25 r90; PIN_NUMBER "4" at 11702.29,8855.27 h25 r90; PIN_NUMBER "3" at 11670.79,8855.27 h25 r90
RN6: PIN_NUMBER "8" at 11807.8,8928.43 h25 r90; PIN_NUMBER "6" at 11870.79,8928.43 h25 r90; PIN_NUMBER "7" at 11839.3,8928.43 h25 r90; PIN_NUMBER "5" at 11902.29,8928.43 h25 r90; PIN_NUMBER "2" at 11839.3,8855.28 h25 r90; PIN_NUMBER "1" at 11807.8,8855.28 h25 r90; PIN_NUMBER "4" at 11902.29,8855.28 h25 r90; PIN_NUMBER "3" at 11870.79,8855.28 h25 r90
RN7: PIN_NUMBER "8" at 12002.8,8928.42 h25 r90; PIN_NUMBER "6" at 12065.79,8928.42 h25 r90; PIN_NUMBER "7" at 12034.3,8928.42 h25 r90; PIN_NUMBER "5" at 12097.29,8928.42 h25 r90; PIN_NUMBER "2" at 12034.3,8855.27 h25 r90; PIN_NUMBER "1" at 12002.8,8855.27 h25 r90; PIN_NUMBER "3" at 12065.79,8855.27 h25 r90; PIN_NUMBER "4" at 12097.29,8855.27 h25 r90
RN8: PIN_NUMBER "8" at 12192.8,8928.43 h25 r90; PIN_NUMBER "6" at 12255.79,8928.43 h25 r90; PIN_NUMBER "7" at 12224.3,8928.43 h25 r90; PIN_NUMBER "5" at 12287.29,8928.43 h25 r90; PIN_NUMBER "4" at 12287.29,8855.28 h25 r90; PIN_NUMBER "3" at 12255.79,8855.28 h25 r90; PIN_NUMBER "1" at 12192.8,8855.28 h25 r90; PIN_NUMBER "2" at 12224.3,8855.28 h25 r90
RN9: PIN_NUMBER "8" at 12377.8,8928.43 h25 r90; PIN_NUMBER "7" at 12409.3,8928.43 h25 r90; PIN_NUMBER "6" at 12440.79,8928.43 h25 r90; PIN_NUMBER "5" at 12472.29,8928.43 h25 r90; PIN_NUMBER "3" at 12440.79,8855.28 h25 r90; PIN_NUMBER "4" at 12472.29,8855.28 h25 r90; PIN_NUMBER "2" at 12409.3,8855.28 h25 r90; PIN_NUMBER "1" at 12377.8,8855.28 h25 r90
RN10: PIN_NUMBER "3" at 8285.79,8845.27 h25 r90; PIN_NUMBER "4" at 8317.29,8845.27 h25 r90; PIN_NUMBER "1" at 8222.8,8845.27 h25 r90; PIN_NUMBER "2" at 8254.3,8845.27 h25 r90; PIN_NUMBER "8" at 8222.8,8918.42 h25 r90; PIN_NUMBER "6" at 8285.79,8918.42 h25 r90; PIN_NUMBER "7" at 8254.3,8918.42 h25 r90; PIN_NUMBER "5" at 8317.29,8918.42 h25 r90
RN11: PIN_NUMBER "3" at 8670.79,8845.27 h25 r90; PIN_NUMBER "4" at 8702.29,8845.27 h25 r90; PIN_NUMBER "1" at 8607.8,8845.27 h25 r90; PIN_NUMBER "2" at 8639.3,8845.27 h25 r90; PIN_NUMBER "8" at 8607.8,8918.42 h25 r90; PIN_NUMBER "6" at 8670.79,8918.42 h25 r90; PIN_NUMBER "7" at 8639.3,8918.42 h25 r90; PIN_NUMBER "5" at 8702.29,8918.42 h25 r90
RN12: PIN_NUMBER "3" at 8860.79,8845.28 h25 r90; PIN_NUMBER "4" at 8892.29,8845.28 h25 r90; PIN_NUMBER "1" at 8797.8,8845.28 h25 r90; PIN_NUMBER "2" at 8829.3,8845.28 h25 r90; PIN_NUMBER "8" at 8797.8,8918.43 h25 r90; PIN_NUMBER "6" at 8860.79,8918.43 h25 r90; PIN_NUMBER "7" at 8829.3,8918.43 h25 r90; PIN_NUMBER "5" at 8892.29,8918.43 h25 r90
RN13: PIN_NUMBER "1" at 8417.8,8845.28 h25 r90; PIN_NUMBER "2" at 8449.3,8845.28 h25 r90; PIN_NUMBER "8" at 8417.8,8918.43 h25 r90; PIN_NUMBER "6" at 8480.79,8918.43 h25 r90; PIN_NUMBER "7" at 8449.3,8918.43 h25 r90; PIN_NUMBER "5" at 8512.29,8918.43 h25 r90; PIN_NUMBER "3" at 8480.79,8845.28 h25 r90; PIN_NUMBER "4" at 8512.29,8845.28 h25 r90
RN14: PIN_NUMBER "3" at 9065.79,8845.27 h25 r90; PIN_NUMBER "1" at 9002.8,8845.27 h25 r90; PIN_NUMBER "4" at 9097.29,8845.27 h25 r90; PIN_NUMBER "2" at 9034.3,8845.27 h25 r90; PIN_NUMBER "8" at 9002.8,8918.42 h25 r90; PIN_NUMBER "6" at 9065.79,8918.42 h25 r90; PIN_NUMBER "7" at 9034.3,8918.42 h25 r90; PIN_NUMBER "5" at 9097.29,8918.42 h25 r90
RN15: PIN_NUMBER "3" at 9280.79,8845.28 h25 r90; PIN_NUMBER "4" at 9312.29,8845.28 h25 r90; PIN_NUMBER "1" at 9217.8,8845.28 h25 r90; PIN_NUMBER "2" at 9249.3,8845.28 h25 r90; PIN_NUMBER "8" at 9217.8,8918.43 h25 r90; PIN_NUMBER "6" at 9280.79,8918.43 h25 r90; PIN_NUMBER "7" at 9249.3,8918.43 h25 r90; PIN_NUMBER "5" at 9312.29,8918.43 h25 r90
RN16: PIN_NUMBER "3" at 9480.79,8845.27 h25 r90; PIN_NUMBER "4" at 9512.29,8845.27 h25 r90; PIN_NUMBER "1" at 9417.8,8845.27 h25 r90; PIN_NUMBER "2" at 9449.3,8845.27 h25 r90; PIN_NUMBER "8" at 9417.8,8918.42 h25 r90; PIN_NUMBER "6" at 9480.79,8918.42 h25 r90; PIN_NUMBER "7" at 9449.3,8918.42 h25 r90; PIN_NUMBER "5" at 9512.29,8918.42 h25 r90
RN17: PIN_NUMBER "3" at 9665.79,8845.28 h25 r90; PIN_NUMBER "4" at 9697.29,8845.28 h25 r90; PIN_NUMBER "1" at 9602.8,8845.28 h25 r90; PIN_NUMBER "2" at 9634.3,8845.28 h25 r90; PIN_NUMBER "8" at 9602.8,8918.43 h25 r90; PIN_NUMBER "6" at 9665.79,8918.43 h25 r90; PIN_NUMBER "7" at 9634.3,8918.43 h25 r90; PIN_NUMBER "5" at 9697.29,8918.43 h25 r90
RN18: PIN_NUMBER "4" at 9877.29,8845.28 h25 r90; PIN_NUMBER "5" at 9877.29,8918.43 h25 r90; PIN_NUMBER "1" at 9782.8,8845.28 h25 r90; PIN_NUMBER "2" at 9814.3,8845.28 h25 r90; PIN_NUMBER "8" at 9782.8,8918.43 h25 r90; PIN_NUMBER "7" at 9814.3,8918.43 h25 r90; PIN_NUMBER "3" at 9845.79,8845.28 h25 r90; PIN_NUMBER "6" at 9845.79,8918.43 h25 r90
S1: PIN_NUMBER "1" at 13189.55,5700.85 h20; DIMSYM "PADSTACKS:C250H125Z165" at 12705.55,6100.85 h50; DIMSYM "SYM NAME:MH_250H125" at 12705.55,6200.85 h50
S2: PIN_NUMBER "1" at 13189.55,9168.7 h20; DIMSYM "PADSTACKS:C250H125Z165" at 12705.55,9568.7 h50; DIMSYM "SYM NAME:MH_250H125" at 12705.55,9668.7 h50
S3: PIN_NUMBER "1" at 6279.04,9156.85 h20; DIMSYM "PADSTACKS:C250H125Z165" at 5795.04,9556.85 h50; DIMSYM "SYM NAME:MH_250H125" at 5795.04,9656.85 h50
S4: PIN_NUMBER "1" at 6269.32,5372.79 h20; DIMSYM "PADSTACKS:C250H125Z165" at 5785.32,5772.79 h50; DIMSYM "SYM NAME:MH_250H125" at 5785.32,5872.79 h50
SW1: PIN_NUMBER "1" at 13107.42,7237.81 h25 r90; PIN_NUMBER "4" at 13107.42,7454.35 h25 r90; PIN_NUMBER "2" at 13205.85,7237.81 h25 r90; PIN_NUMBER "5" at 13205.85,7454.35 h25 r90; PIN_NUMBER "6" at 13304.28,7454.35 h25 r90; PIN_NUMBER "3" at 13304.28,7237.81 h25 r90
U2: PIN_NUMBER "34" at 7339.83,6660.73 h25 r270; PIN_NUMBER "40" at 7250.18,6730.69 h25 r270; PIN_NUMBER "16" at 7151.76,6452.97 h25 r270; PIN_NUMBER "49" at 7200.97,6591.83 h25 r270; PIN_NUMBER "29" at 7339.83,6562.3 h25 r270; PIN_NUMBER "13" at 7092.7,6452.97 h25 r270; PIN_NUMBER "36" at 7339.83,6700.1 h25 r270; PIN_NUMBER "37" at 7309.24,6730.69 h25 r270; PIN_NUMBER "24" at 7309.24,6452.97 h25 r270; PIN_NUMBER "25" at 7339.83,6483.56 h25 r270; PIN_NUMBER "19" at 7210.81,6452.97 h25 r270; PIN_NUMBER "20" at 7230.5,6452.97 h25 r270; PIN_NUMBER "21" at 7250.18,6452.97 h25 r270; PIN_NUMBER "22" at 7269.87,6452.97 h25 r270; PIN_NUMBER "35" at 7339.83,6680.41 h25 r270; PIN_NUMBER "33" at 7339.83,6641.04 h25 r270; PIN_NUMBER "32" at 7339.83,6621.36 h25 r270; PIN_NUMBER "31" at 7339.83,6601.67 h25 r270; PIN_NUMBER "28" at 7339.83,6542.62 h25 r270; PIN_NUMBER "27" at 7339.83,6522.93 h25 r270; PIN_NUMBER "42" at 7210.81,6730.69 h25 r270; PIN_NUMBER "41" at 7230.5,6730.69 h25 r270; PIN_NUMBER "17" at 7171.44,6452.97 h25 r270; PIN_NUMBER "15" at 7132.07,6452.97 h25 r270; PIN_NUMBER "11" at 7062.11,6503.25 h25 r270; PIN_NUMBER "10" at 7062.11,6522.93 h25 r270; PIN_NUMBER "8" at 7072.11,6562.3 h25 r270; PIN_NUMBER "7" at 7072.11,6581.99 h25 r270; PIN_NUMBER "6" at 7072.11,6601.67 h25 r270; PIN_NUMBER "5" at 7072.11,6621.36 h25 r270; PIN_NUMBER "3" at 7072.11,6660.73 h25 r270; PIN_NUMBER "2" at 7072.11,6680.41 h25 r270; PIN_NUMBER "38" at 7289.55,6730.69 h25 r270; PIN_NUMBER "48" at 7092.7,6730.69 h25 r270; PIN_NUMBER "1" at 7072.11,6700.1 h25 r270; PIN_NUMBER "47" at 7112.39,6730.69 h25 r270; PIN_NUMBER "12" at 7062.11,6483.56 h25 r270; PIN_NUMBER "9" at 7072.11,6542.62 h25 r270; PIN_NUMBER "4" at 7072.11,6641.04 h25 r270; PIN_NUMBER "44" at 7171.44,6730.69 h25 r270; PIN_NUMBER "30" at 7339.83,6581.99 h25 r270; PIN_NUMBER "39" at 7269.87,6730.69 h25 r270; PIN_NUMBER "26" at 7339.83,6503.25 h25 r270; PIN_NUMBER "14" at 7112.39,6452.97 h25 r270; PIN_NUMBER "18" at 7191.13,6452.97 h25 r270; PIN_NUMBER "23" at 7289.55,6452.97 h25 r270; PIN_NUMBER "46" at 7132.07,6730.69 h25 r270; PIN_NUMBER "45" at 7151.76,6730.69 h25 r270; PIN_NUMBER "43" at 7191.13,6730.69 h25 r270; DIMENSION "5.5" at 7208.47,6839.83 h25 r270; DIMENSION "216.54" at 7208.47,7017.83 h25 r270; DIMENSION "6.8" at 7448.47,6539.83 h25 r270; DIMENSION "267.72" at 7448.47,6717.83 h25 r270; DIMENSION "6.8" at 7208.47,6244.83 h25 r270; DIMENSION "267.72" at 7208.47,6422.83 h25 r270; DIMENSION "0.5" at 6988.47,6640.83 h25 r270; DIMENSION "19.69" at 6988.47,6796.83 h25 r270
U3: PIN_NUMBER "34" at 7339.83,5963.73 h25 r270; PIN_NUMBER "40" at 7250.18,6033.69 h25 r270; PIN_NUMBER "16" at 7151.76,5755.97 h25 r270; PIN_NUMBER "49" at 7200.97,5894.83 h25 r270; PIN_NUMBER "29" at 7339.83,5865.3 h25 r270; PIN_NUMBER "13" at 7092.7,5755.97 h25 r270; PIN_NUMBER "36" at 7339.83,6003.1 h25 r270; PIN_NUMBER "37" at 7309.24,6033.69 h25 r270; PIN_NUMBER "24" at 7309.24,5755.97 h25 r270; PIN_NUMBER "25" at 7339.83,5786.56 h25 r270; PIN_NUMBER "19" at 7210.81,5755.97 h25 r270; PIN_NUMBER "20" at 7230.5,5755.97 h25 r270; PIN_NUMBER "21" at 7250.18,5755.97 h25 r270; PIN_NUMBER "22" at 7269.87,5755.97 h25 r270; PIN_NUMBER "35" at 7339.83,5983.41 h25 r270; PIN_NUMBER "33" at 7339.83,5944.04 h25 r270; PIN_NUMBER "32" at 7339.83,5924.36 h25 r270; PIN_NUMBER "31" at 7339.83,5904.67 h25 r270; PIN_NUMBER "28" at 7339.83,5845.62 h25 r270; PIN_NUMBER "27" at 7339.83,5825.93 h25 r270; PIN_NUMBER "42" at 7210.81,6033.69 h25 r270; PIN_NUMBER "14" at 7112.39,5755.97 h25 r270; PIN_NUMBER "18" at 7191.13,5755.97 h25 r270; PIN_NUMBER "23" at 7289.55,5755.97 h25 r270; PIN_NUMBER "26" at 7339.83,5806.25 h25 r270; PIN_NUMBER "30" at 7339.83,5884.99 h25 r270; PIN_NUMBER "39" at 7269.87,6033.69 h25 r270; PIN_NUMBER "43" at 7191.13,6033.69 h25 r270; PIN_NUMBER "46" at 7132.07,6033.69 h25 r270; PIN_NUMBER "45" at 7151.76,6033.69 h25 r270; PIN_NUMBER "1" at 7072.11,6003.1 h25 r270; PIN_NUMBER "47" at 7112.39,6033.69 h25 r270; PIN_NUMBER "12" at 7062.11,5786.56 h25 r270; PIN_NUMBER "44" at 7171.44,6033.69 h25 r270; PIN_NUMBER "9" at 7072.11,5845.62 h25 r270; PIN_NUMBER "4" at 7072.11,5944.04 h25 r270; PIN_NUMBER "17" at 7171.44,5755.97 h25 r270; PIN_NUMBER "15" at 7132.07,5755.97 h25 r270; PIN_NUMBER "11" at 7062.11,5806.25 h25 r270; PIN_NUMBER "10" at 7062.11,5825.93 h25 r270; PIN_NUMBER "8" at 7072.11,5865.3 h25 r270; PIN_NUMBER "7" at 7072.11,5884.99 h25 r270; PIN_NUMBER "6" at 7072.11,5904.67 h25 r270; PIN_NUMBER "5" at 7072.11,5924.36 h25 r270; PIN_NUMBER "3" at 7072.11,5963.73 h25 r270; PIN_NUMBER "2" at 7072.11,5983.41 h25 r270; PIN_NUMBER "38" at 7289.55,6033.69 h25 r270; PIN_NUMBER "48" at 7092.7,6033.69 h25 r270; PIN_NUMBER "41" at 7230.5,6033.69 h25 r270; DIMENSION "5.5" at 7208.47,6142.83 h25 r270; DIMENSION "216.54" at 7208.47,6320.83 h25 r270; DIMENSION "6.8" at 7448.47,5842.83 h25 r270; DIMENSION "267.72" at 7448.47,6020.83 h25 r270; DIMENSION "6.8" at 7208.47,5547.83 h25 r270; DIMENSION "267.72" at 7208.47,5725.83 h25 r270; DIMENSION "0.5" at 6988.47,5943.83 h25 r270; DIMENSION "19.69" at 6988.47,6099.83 h25 r270